# Altium PCB Test.PcbDoc (part 3 of 3)
Units mil, origin at the board's own origin, x right, y up, seen from the top; angles counter-clockwise.
Board outline 22000 x 14000 mil, 2 copper layers (Top Layer, Bottom Layer); 288 components, 166 nets, 913 pads, 158 vias.
Unrouted connection lines stored in the file: 82.
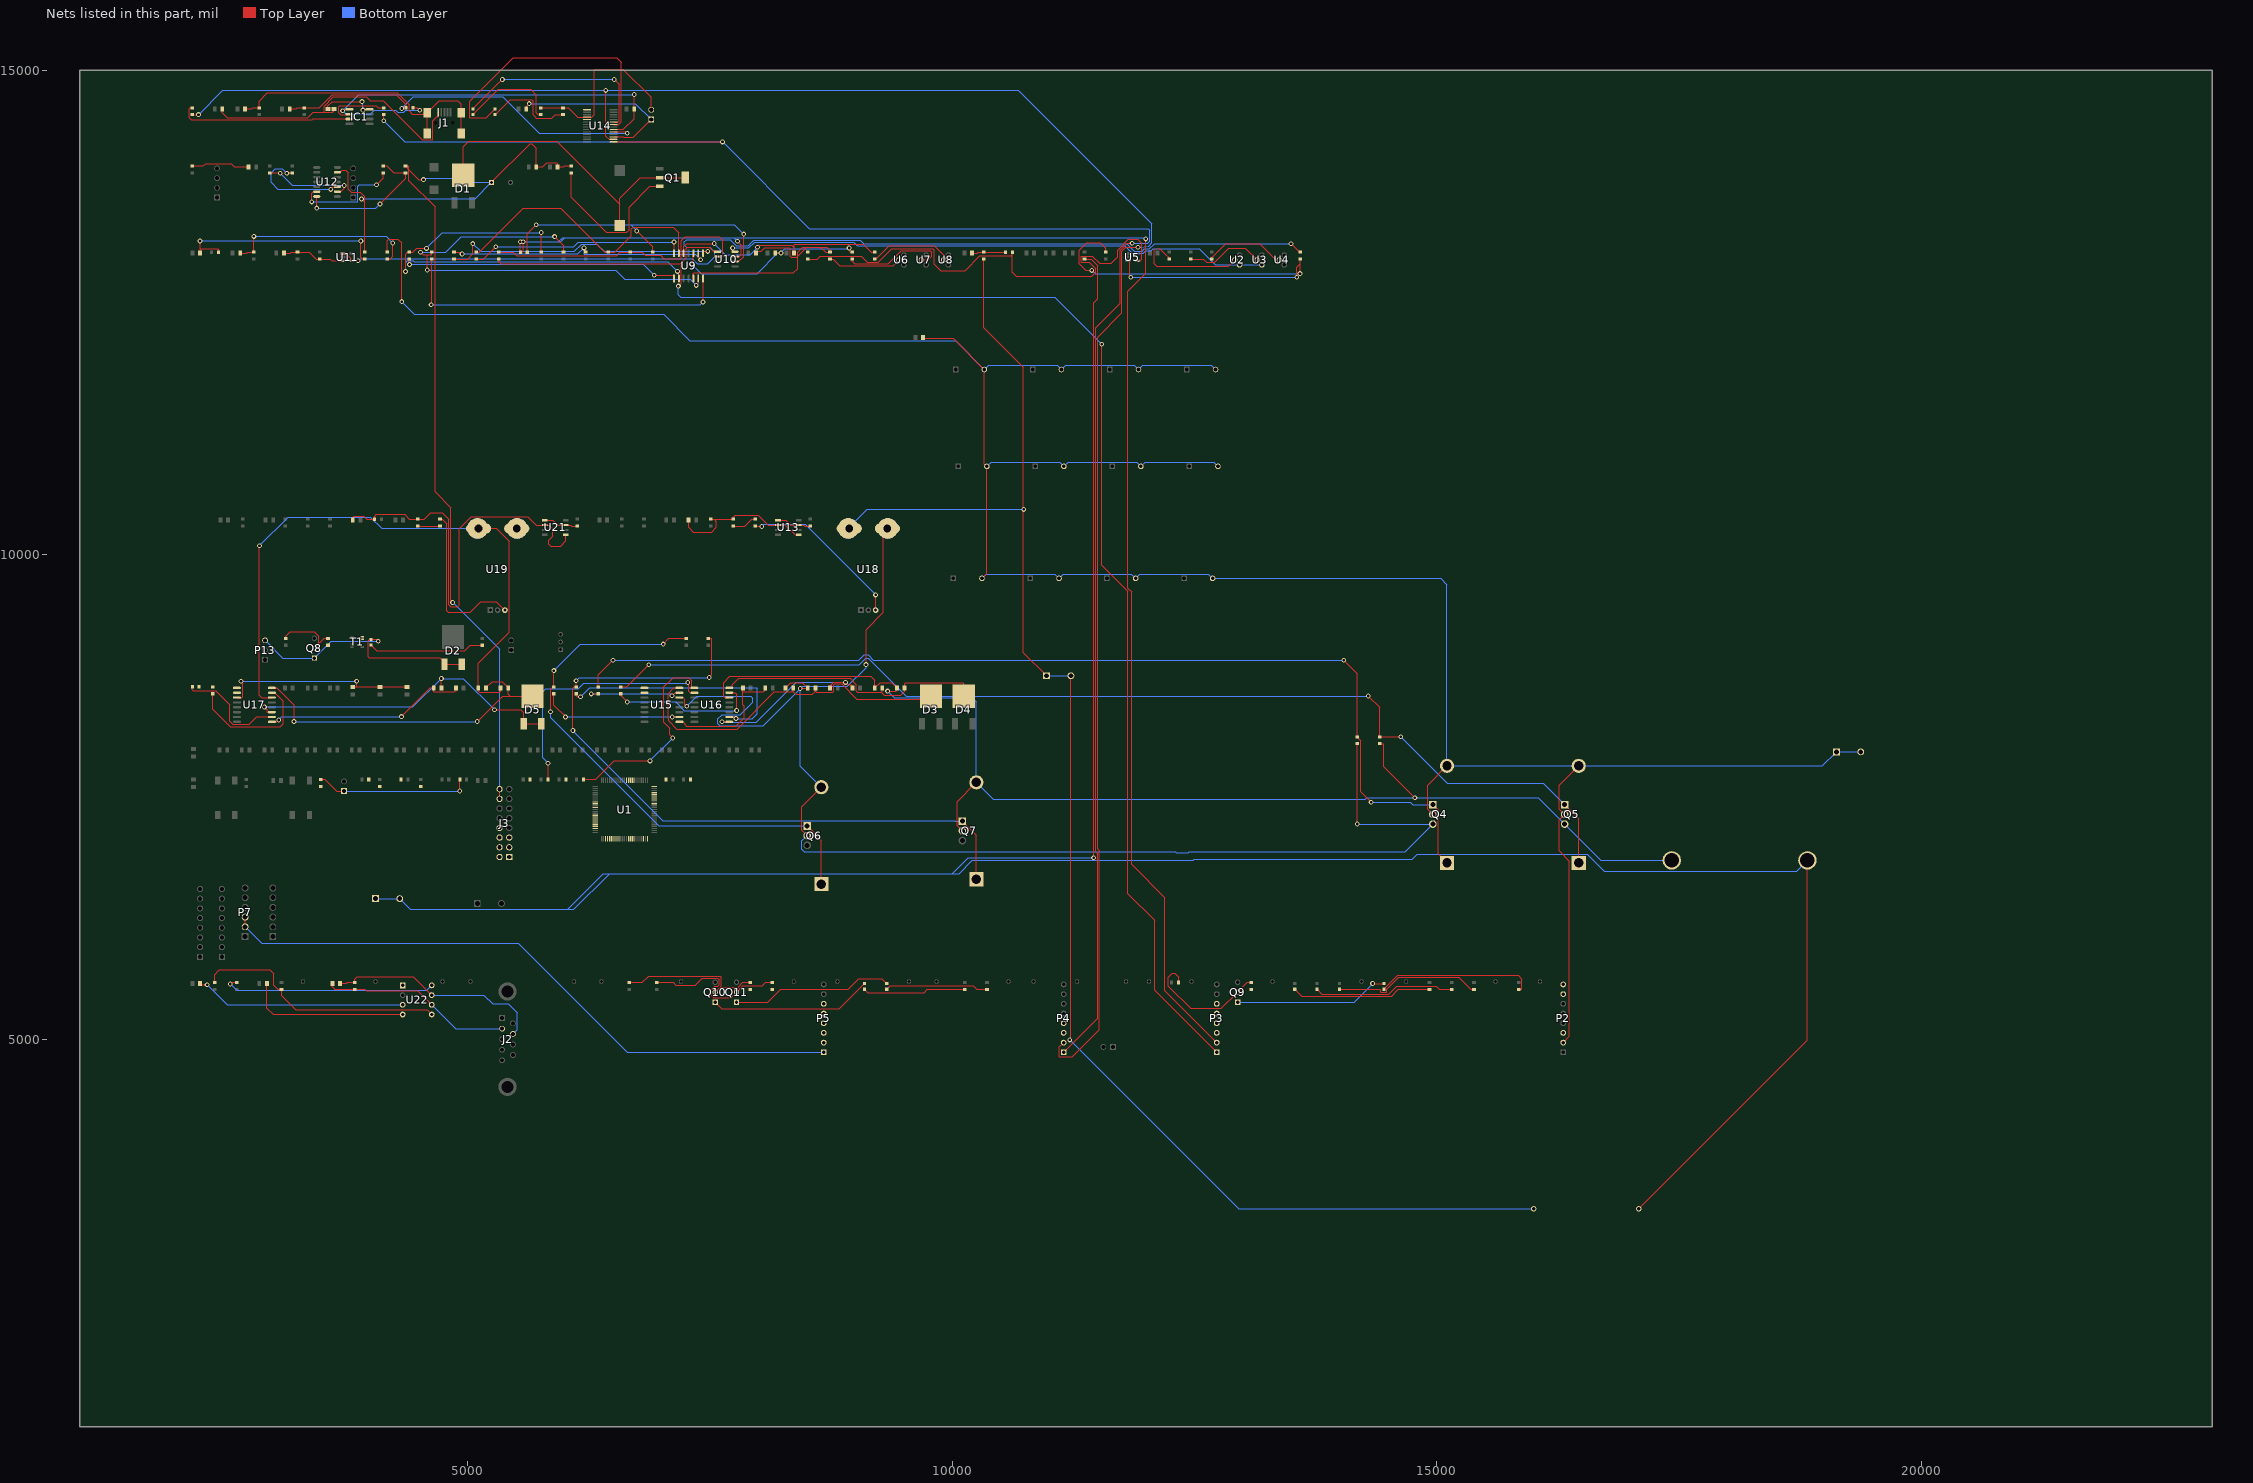
[diagram p3: the nets of this part, all layers, seen from the top]

## Via types
v1: diameter 50, hole 28, Top Layer to Bottom Layer, 158 vias

## Nets (pads, with @x,y where several pads share a name; then routed paths per layer and width w, separated by ;. In a path a pad name is that pad's centre, name@x,y a point inside that pad or via, vN(x,y) a via of type N, cw(c..) or ccw(c..) an arc to the next point about the centre after c; other vN are vias at no path point) (continued)
NetC7_2: C7.2 R20.2 R21.1 | length 349.7
  Top Layer w10: C7.2@10204.37,13110 10259,13110 10269.43,13120.43 R20.2@10324.99,13120.43 10437,13120.43 10437.43,13120 R21.1@10549.57,13120
NetC8_2: C8.2 R22.2 U9.5 | length 2512.1
  Top Layer w10: U9.5@7330,12850 7330,12896 7340,12906 8360,12906 8405,12951 8405,13077 ; C8.2@7974.37,13110 7974.37,13130.59 8031.9,13130.59 8065.31,13164 8317,13164 8330,13151 8330,13079 8340,13069 8397,13069 8405,13077 ; 8405,13077 8502,13174 ; 8405,13077 8405,13120 8459,13174 8502,13174 ; 8502,13174 8641,13174 ; 8641,13174 8705.99,13174 8739.99,13140 R22.2@8739.99,13120.43 8694.57,13120.43 8641,13174
NetC9_2: C9.2 R23.2 U9.10 | length 2025.4
  Top Layer w10: v1(7320,12991) 7330,13001 U9.10@7330,13110 ; C9.2@8174.37,13110 8174.37,13113 v1(8233,13113) ; v1(8937,13164) 8947,13154 8947,13120.43 R23.2@8969.99,13120.43
  Bottom Layer w10: v1(7320,12991) 7411,12900 7987,12900 8200,13113 v1(8233,13113) 8274,13154 8937,13154 v1(8937,13164)
NetC10_2: C10.2 R24.2 U9.12 | length 2275.9
  Top Layer w10: U9.12@7230,13110 7230,13180 7260,13210 v1(7545,13210) ; v1(7992,13171) 8013,13192 8343.37,13192 8369.37,13166 ; C10.2@8369.37,13110 8369.37,13166 ; R24.2@9199.99,13120.43 9165.57,13120.43 9082,13204 8374.37,13204 8369.37,13199 8369.37,13166
  Bottom Layer w10: v1(7545,13210) 7659,13096 7917,13096 v1(7992,13171)
NetC11_2: C11.2 P2.7 R38.1 R41.2 U1.23 | length 2228.2
  Top Layer w10: C11.2@2239.37,13110 2239.37,13143.37 ; v1(2239.37,13237) 2239.37,13143.37 ; R41.2@2430.43,13120.01 2430.43,13143.57 2420,13154 2250,13154 2239.37,13143.37 ; v1(3899,13237) 3899,13067 3916.43,13049.57 R38.1@3940,13049.57
  Bottom Layer w10: v1(2239.37,13237) v1(3899,13237)
NetC12_2: C12.2 P2.8 R39.1 R42.2 U1.22 | length 1977.1
  Top Layer w10: C12.2@2654.37,13110 2719,13110 2729.43,13120.43 R42.2@2794.99,13120.43 v1(2794.99,13284) ; R39.1@4170,13049.57 4200,13049.57 4228,13077.57 v1(4228,13215)
  Bottom Layer w10: v1(2794.99,13284) 4159,13284 v1(4228,13215)
NetC13_2: C13.2 R40.1 R43.2 U11.3 | length 649.1
  Top Layer w10: C13.2@3104.37,13110 3169,13110 3179.43,13120.43 R43.2@3244.99,13120.43 3366.57,13120.43 3437.43,13049.57 R40.1@3475,13049.57 3585,13049.57 3601.97,13032.6 U11.3@3712.76,13032.6
NetC14_1: C14.1 C15.2 C16.2 J3.14 J3.16 R38.2 R44.2 R45.2 U12.13 | length 11715.3
  Top Layer w10: U12.13@3656.3,13945 3687.72,13945 3707.1,13964.38 3743.33,13964.38 3768,13939.72 3768,13772 3800,13740 3895,13740 3939.99,13695.01 3939.99,13635.01 ; v1(3905,13670) 3939.99,13635.01 ; R38.2@3939.99,13120.43 3939.99,13635.01 ; v1(4546,13869) 4495.99,13869 4394,13970.99 ; v1(4846,9507) 4826,9527 4826,10486 4664,10648 4664,13588 4394,13858 4394,13970.99 ; C14.1@5246.57,13840 5646.57,14240 5662,14240 5709.37,14192.63 C15.2@5709.37,14000 5774,14000 5815,14041 5918.37,14041 5929.37,14030 C16.2@5929.37,14000 5994,14000 6004.43,14010.43 R44.2@6069.99,14010.43 ; J3.14@5330,7480 J3.16@5330,7580 ; 4394,13970.99 4394,14000 4383.57,14010.43 R45.2@4359.99,14010.43 4359.99,14005 4394,13970.99
  Bottom Layer w10: v1(3905,13670) 5076.57,13670 C14.1@5246.57,13840 4908,13840 4862,13886 4563,13886 v1(4546,13869) ; v1(4846,9507) 5330,9023 J3.16@5330,7580
NetC18_1: C18.1 R49.2 | length 604.5
  Top Layer w10: R49.2@2159.99,14010.43 2275,14010.43 2298.57,14034 2560,14034 2594,14000 C18.1@2740.63,14000
NetC31_2: C31.2 C32.2 C33.2 C34.2 C35.2 C36.2 C37.2 C38.2 C39.2 C40.2 C41.2 C42.2 C43.2 J5.1 J5.2 P2.2 Q4.2 Q5.2 R39.2 | length 29942.3
  Top Layer w10: R39.2@4169.99,13120.43 4169.99,13240.99 4185,13256 4280,13256 4320,13216 v1(4320,12610) ; C43.2@9699.37,12240 9699.37,12234 10008.64,12234 C31.2@10332.64,11910 10332.64,10935 C35.2@10357.64,10910 10357.64,9805 C39.2@10307.64,9755 ; Q4.2@14959.51,7320 14905,7374.51 14905,7620 Q4.2@15105,7820 ; P2.2@16305,4965 16369.53,5029.53 16369.53,6838.47 16265,6943 16265,7265.49 Q5.2@16319.51,7320 16265,7374.51 16265,7620 Q5.2@16465,7820
  Bottom Layer w10: v1(4320,12610) 4451,12479 7022,12479 7294,12207 10035.64,12207 C31.2@10332.64,11910 10376.64,11954 11083.64,11954 C32.2@11127.64,11910 11171.64,11954 11878.64,11954 C33.2@11922.64,11910 11966.64,11954 12673.64,11954 C34.2@12717.64,11910 ; C39.2@10307.64,9755 10351.64,9799 11058.64,9799 C40.2@11102.64,9755 11146.64,9799 11848.64,9799 C41.2@11892.64,9755 11936.64,9799 12643.64,9799 C42.2@12687.64,9755 15040,9755 15105,9690 Q4.2@15105,7820 Q5.2@16465,7820 18980,7820 J5.1@19125,7965 J5.2@19375,7965 ; C35.2@10357.64,10910 10401.64,10954 11108.64,10954 C36.2@11152.64,10910 11196.64,10954 11903.64,10954 C37.2@11947.64,10910 11991.64,10954 12698.64,10954 C38.2@12742.64,10910
NetC44_1: C44.1 J8.1 J8.2 R20.1 U18.5 | length 16004.3
  Top Layer w10: U18.5@8928.31,10269.94 U18.5@8938.15,10269.94 ; R20.1@10325,13049.57 10325,12343 10735,11933 v1@10735,10467 ; v1(10739,10467) v1@10735,10467 ; J8.1@10975,8750 10735,8990 v1@10735,10467 ; v1(11214,4993) 11225,5004 J8.2@11225,8750
  Bottom Layer w10: U18.5@8938.15,10269.94 U18.5@8928.31,10269.94 9125.37,10467 v1(10739,10467) ; J8.1@10975,8750 J8.2@11225,8750 ; v1(11214,4993) 12957,3250 C44.1@16000,3250
NetC44_2: C44.2 J7.1 J7.2 L3.2 R18.1 | length 27889.1
  Top Layer w10: R18.1@11365,13049.57 11433.08,13049.57 11500,12982.64 11500,12641 11460,12601 v1(11460,6872) ; C44.2@17085,3250 18825,4990 L3.2@18825,6845
  Bottom Layer w10: J7.1@4050,6450 J7.2@4300,6450 4410,6340 6033,6340 ; v1(11460,6872) 10166,6872 10003,6709 ; L3.2@18825,6845 18715,6735 16726,6735 16553,6908 14799,6908 14749,6858 12500,6858 12487,6845 10207,6845 10071,6709 10003,6709 ; 6033,6340 6097,6340 6466,6709 ; 6033,6340 6402,6709 6466,6709 ; 6466,6709 10003,6709
NetC46_2: C46.2 JP2.1 U14.17 | length 1859.1
  Top Layer w10: C46.2@5604.37,14600 5604.37,14621.37 v1(5636,14653) ; U14.17@6505.83,14309.84 6607,14309.84 6610.22,14306.61 6711.61,14306.61 JP2.1@6895,14490
  Bottom Layer w10: v1(5636,14653) 6732,14653 JP2.1@6895,14490
NetC50_1: C50.1 C51.1 U15.9 | length 1308.6
  Top Layer w10: U15.9@7185.12,8275 7224,8275 7256,8228 7769,8228 7856,8315 7856,8435.63 7840.63,8451 7840.63,8584 ; C50.1@7840.63,8625 7840.63,8584 ; C51.1@8070.63,8625 8070.63,8602 8052.63,8584 7840.63,8584
NetC52_1: C52.1 C53.1 Q4.3 Q6.2 R52.1 U15.14 U18.4 | length 15239.8
  Top Layer w10: U15.14@7185.12,8525 7242,8511 7242,8450 7257,8435 v1(7262,8435) ; C52.1@8280.63,8625 8335.63,8680 8455.63,8680 C53.1@8510.63,8625 8510.63,8619 v1(8432,8619) v1@8432,8618 ; Q6.2@8504.51,7100 8450,7154.51 8450,7400 Q6.2@8650,7600 ; v1(9112,8865) 9112,9226 9290,9404 9290,10269.94 U18.4@9331.85,10269.94 U18.4@9335.76,10269.94 ; v1(14180,7219.61) R52.1@14180,8049.57
  Bottom Layer w10: v1(7262,8435) 7366,8539 7920,8539 7940,8519 7940,8475 7814.37,8349.37 7625.37,8349.37 7580,8304 7580,8255 7600,8235 8049,8235 v1@8432,8618 ; Q6.2@8504.51,7100 8450,7045.49 8450,6960 8475,6935 12301.73,6935 12310.83,6925.9 12436.76,6925.9 12445.86,6935 14674.9,6935 Q4.3@14959.51,7219.61 v1(14180,7219.61) ; Q6.2@8650,7600 8432,7818 v1@8432,8618 ; v1(9112,8865) 9112,8833.58 8920,8641.58 8454.58,8641.58 v1(8432,8619) v1@8432,8618 ; U18.4@9331.85,10269.94 U18.4@9335.76,10269.94
NetC52_2: C52.2 C53.2 D3.4 U15.16 | length 3612.2
  Top Layer w10: U15.16@7185.12,8625 7127.81,8625 7068,8565.19 7068,8313.34 7069.28,8289.47 7158.75,8200 7781.77,8200 8165.77,8584 8359.37,8584 ; C52.2@8359.37,8625 8359.37,8584 ; D3.4@9780,8540.24 9694,8540.24 9660.76,8507 9018,8507 8859.41,8665.59 8790,8665.59 8780,8655.59 8780,8592 8770,8582 8600,8582 8590.68,8591.32 ; 8359.37,8584 8392.05,8557.32 8556.69,8557.32 8590.68,8591.32 ; 8590.68,8591.32 8589.37,8592.63 C53.2@8589.37,8625 8590.68,8591.32
NetC54_1: C54.1 C55.1 U16.9 | length 1836.6
  Top Layer w10: v1(7626,8275) U16.9@7700.12,8275 ; C54.1@8740.63,8625 8740.63,8646.22 8780,8685.59 v1@8900,8685.59 ; v1(8900,8682) v1@8900,8685.59 ; C55.1@8970.63,8625 8970.63,8655 8927,8655 8901.78,8683.57 v1@8900,8685.59
  Bottom Layer w10: v1(7626,8275) 7632,8269 7978,8269 8391,8682 v1(8900,8682)
NetC56_1: C56.1 C57.1 L3.1 Q5.3 Q7.2 R53.1 U16.14 | length 12935.5
  Top Layer w10: U16.14@7700.12,8525 7658,8525 7643,8540 7643,8680 7706,8743 9160,8743 9200.63,8702.37 C56.1@9200.63,8625 9255.63,8680 9375.63,8680 C57.1@9430.63,8625 9430.63,8600 9421.63,8591 v1(9334,8591) ; Q7.2@10104.51,7150 10050,7204.51 10050,7450 Q7.2@10250,7650 ; R53.1@14410,8049.57 14452.43,8049.57 14452.43,7812.57 v1(14774,7491)
  Bottom Layer w10: v1(9334,8591) 9404,8521 10209,8521 10250,8480 Q7.2@10250,7650 10425,7475 14264.03,7475 14280.03,7491 v1(14774,7491) 16048.11,7491 Q5.3@16319.51,7219.61 16694.11,6845 L3.1@17425,6845
NetC56_2: C56.2 C57.2 D4.4 U16.16 | length 2871.4
  Top Layer w10: U16.16@7700.12,8625 7730,8625 7730,8655.26 7796.74,8722 8946,8722 9010,8658 9010,8593 9023,8580 9269.37,8580 9279.37,8590 ; C56.2@9279.37,8625 9279.37,8590 ; D4.4@10120,8540.24 10120,8668 10110,8678 9520,8678 9509.37,8667.37 C57.2@9509.37,8625 9509.37,8590 9469.77,8550.4 9300,8550.4 9279.37,8571.03 9279.37,8590
NetC58_1: C58.1 C59.1 U17.9 | length 2121.3
  Top Layer w10: U17.9@2980.12,8275 3032,8275 v1(3051,8294) ; v1(4318,8328) 4615,8625 C58.1@4650.63,8625 4650.63,8584 4870,8584 4880.63,8594.63 C59.1@4880.63,8625
  Bottom Layer w10: v1(3051,8294) 3085,8328 v1(4318,8328)
NetC58_2: C58.2 D5.1 D5.3 U17.11 | length 3444.5
  Top Layer w10: v1(2903,8428) 2933,8398 2933,8375 U17.11@2980.12,8375 ; C58.2@4729.37,8625 v1(4729.37,8721) ; v1(5278,8400) 5547.84,8400 5579.84,8368 D5.1@5579.84,8256.77 D5.3@5760.16,8256.77
  Bottom Layer w10: v1(2903,8428) 4436.37,8428 v1(4729.37,8721) 4957,8721 v1(5278,8400)
NetC60_1: C60.1 C61.1 U17.14 U19.5 | length 6449.2
  Top Layer w10: v1(2852,10092) 2852,8548 2875,8525 U17.14@2980.12,8525 ; U19.5@5103.31,10269.94 U19.5@5113.15,10269.94 5298,10269.94 5430,10137.94 5430,9197 5110.63,8877.63 C60.1@5110.63,8625 5110.63,8590 5120.63,8580 5330.63,8580 5340.63,8590 C61.1@5340.63,8625
  Bottom Layer w10: v1(2852,10092) 3148,10388 3995,10388 4113.06,10269.94 U19.5@5103.31,10269.94 5108,10269.94 U19.5@5113.15,10269.94
NetC60_2: C60.2 C61.2 D5.4 U17.16 | length 3417.8
  Top Layer w10: U17.16@2980.12,8625 3033,8625 3210,8448 v1(3210,8278) ; v1(5099,8278) 5361.24,8540.24 5440,8540.24 ; C60.2@5189.37,8625 5253,8688.63 5355.74,8688.63 C61.2@5419.37,8625 5419.37,8560.87 5440,8540.24 ; D5.4@5670,8540.24 5440,8540.24
  Bottom Layer w10: v1(3210,8278) v1(5099,8278)
NetC65_1: C65.1 R74.2 R75.2 U1.21 U13.2 U13.5 | length 1518.1
  Top Layer w10: C65.1@7280.63,10355 7280.63,10280 7328.63,10232 7520,10232 7568,10280 7568,10340 7542.57,10365.43 ; R75.2@7509.99,10365.43 7542.57,10365.43 ; U13.5@8417.87,10205 8380,10205 8280,10305 U13.2@8202.13,10305 8100,10305 7999.01,10405.99 7760,10405.99 7739.99,10385.99 R74.2@7739.99,10365.43 7542.57,10365.43
NetC69_1: C69.1 R80.2 R81.1 U21.2 U21.5 | length 4456
  Top Layer w10: C69.1@3815.63,10355 3815.63,10381.63 3830,10396 3930,10396 3961,10365 R81.1@4039.57,10365 4039.57,10395.16 4060,10415.59 4350.41,10415.59 4400.57,10365.43 R80.2@4484.99,10365.43 4552.43,10365.43 4618,10431 4740,10431 4806,10365 4806,9481 4827,9460 4893,9460 4913,9480 4913,10265 5040,10392 5620,10392 5707,10305 U21.2@5797.13,10305 5840,10305 5880,10265 5880,10187.71 5840,10147.71 5840,10107.71 5859.71,10088 5960,10088 6013,10141 6013,10205 U21.5@6012.87,10205
NetC72_1: C72.1 J2.2 R92.1 U22.6 | length 1964
  Top Layer w10: C72.1@3605.63,5575 3605.63,5540 3631.06,5514.57 R92.1@3835,5514.57 3938.43,5514.57 3953,5500 4485,5500 U22.6@4630,5355
  Bottom Layer w10: U22.6@4630,5355 4875.94,5109.06 J2.2@5356.14,5109.06
NetC72_2: C72.2 J2.7 R92.2 U22.7 | length 2268.3
  Top Layer w10: C72.2@3684.37,5575 3754,5575 3764.43,5585.43 R92.2@3834.99,5585.43 3834.99,5620 3858.99,5644 4441,5644 U22.7@4630,5455
  Bottom Layer w10: U22.7@4630,5455 5169,5455 5259,5365 5421,5365 5513,5273 5513,5099.58 J2.7@5467.95,5054.53
NetC73_2: C73.2 U1.41 U22.4 | length 1682.6
  Top Layer w10: C73.2@2929.37,5575 2929.37,5320 2994.37,5255 U22.4@4330,5255
NetC74_2: C74.2 U22.3 | length 2189.4
  Top Layer w10: C74.2@2239.37,5575 2239.37,5562 v1(2313,5562)
  Bottom Layer w10: v1(2313,5562) 2520,5355 U22.3@4330,5355
NetC102_2: C102.2 C103.2 C104.2 U17.3 | length 2042.2
  Top Layer w10: U17.3@2619.88,8525 2670,8525 2681,8536 2681,8674 v1(2662,8693) ; C102.2@3815,8634.37 3855,8634.37 ; v1(3855,8693) 3855,8634.37 ; C104.2@4375,8634.37 C103.2@4095,8634.37 3855,8634.37
  Bottom Layer w10: v1(2662,8693) v1(3855,8693)
NetD1_4: D1.4 L1.1 Q1.2 Q1.4 | length 3244.7
  Top Layer w10: D1.4@4955,13915.24 4955,14206.47 5013.53,14265 5919,14265 6570,13614 ; L1.1@6570,13396.93 6570,13614 ; Q1.4@7246.89,13890 Q1.2@6983.11,13890 6784,13890 6570,13676 6570,13614
NetDS1_1: DS1.1 R56.1 | length 1192.2
  Top Layer w10: DS1.1@4005,9065.48 4062.47,9008 4971,9008 5027.57,9064.57 R56.1@5150,9064.57
NetDS2_1: DS2.1 R59.1 | length 1020.6
  Top Layer w10: DS2.1@5055,14540.48 5314.52,14800 5650,14800 5710.43,14739.57 5710.43,14560 5730.87,14539.57 R59.1@5755,14539.57
NetDS2_2: DS2.2 U14.23 | length 2094.2
  Top Layer w10: DS2.2@5055,14599.53 v1(5358.47,14903) ; U14.23@6505.83,14463.39 6550,14463.39 6563,14476.39 6563,14854 v1(6514,14903)
  Bottom Layer w10: v1(5358.47,14903) v1(6514,14903)
NetDS3_1: DS3.1 R60.1 | length 940.2
  Top Layer w10: DS3.1@5285,14540.48 5438.11,14693.59 5662.9,14693.59 5676.49,14680 5676.49,14537.51 5710,14504 5870,14504 5905.57,14539.57 R60.1@5985,14539.57
NetDS3_2: DS3.2 U14.22 | length 2936.8
  Top Layer w10: DS3.2@5285,14599.53 5191.47,14506 5024,14506 5024,14676 5473,15125 6538,15125 6583,15080 6583,14465 6555.8,14437.8 U14.22@6505.83,14437.8
NetDS4_1: DS4.1 R86.1 | length 1639.9
  Top Layer w10: DS4.1@14455,5515.48 14599.52,5660 15839,5660 15879,5620 15879,5514.57 R86.1@15845,5514.57
NetDS4_2: DS4.2 Q9.1 | length 1589.5
  Top Layer w10: v1(14338.47,5574.53) DS4.2@14455,5574.53
  Bottom Layer w10: Q9.1@12945,5382.64 14146.58,5382.64 v1(14338.47,5574.53)
NetDS5_1: DS5.1 R87.1 | length 1448.2
  Top Layer w10: DS5.1@13535,5515.48 13605.74,5444.73 14533.43,5444.73 14603.27,5514.57 R87.1@14925,5514.57
NetDS6_1: DS6.1 R88.1 | length 1457.7
  Top Layer w10: DS6.1@13765,5515.48 13815.74,5464.73 14505.74,5464.73 14587.02,5546 14994,5546 15025.43,5514.57 R88.1@15155,5514.57
NetDS7_1: DS7.1 R89.1 | length 1550.3
  Top Layer w10: DS7.1@13995,5515.48 14413.52,5515.48 14424,5505 14424,5484.73 14485.74,5484.73 14485.74,5517.94 14607.81,5640 15225,5640 15350.43,5514.57 R89.1@15385,5514.57
NetDS8_1: DS8.1 R96.1 | length 1064
  Top Layer w10: DS8.1@9095,5515.48 9130.47,5480 9710,5480 9744.57,5514.57 R96.1@10130,5514.57
NetDS8_2: DS8.2 Q10.1 | length 1675.5
  Top Layer w10: Q10.1@7555,5382.64 7622.64,5315 8835.47,5315 DS8.2@9095,5574.53
NetDS9_1: DS9.1 R97.1 | length 1064
  Top Layer w10: DS9.1@9325,5515.48 9359.52,5550 10217.18,5550 10252.62,5514.57 R97.1@10360,5514.57
NetDS9_2: DS9.2 Q11.1 | length 1671.3
  Top Layer w10: Q11.1@7775,5382.64 8097.64,5382.64 8232,5517 8927,5517 9035,5625 9274.53,5625 DS9.2@9325,5574.53
NetFB1_1: FB1.1 IC1.8 | length 564.6
  Top Layer w10: FB1.1@3559.45,14600 3559.45,14631 3602.45,14674 v1(3910,14674) ; v1(3920,14586) 3929,14595 IC1.8@3989.33,14595
  Bottom Layer w10: v1(3910,14674) 3920,14664 v1(3920,14586)
NetIC1_2: IC1.2 R62.2 | length 658.9
  Top Layer w10: IC1.2@3780.67,14545 3751,14545 3751,14540 3691,14540 3671,14560 3671,14620 3680.64,14629.64 4057.36,14629.64 4076.57,14610.43 R62.2@4134.99,14610.43
NetIC1_3: IC1.3 R65.2 | length 1794.9
  Top Layer w10: R65.2@2159.99,14610.43 2136.43,14610.43 2126,14600 2126,14509 2146.18,14488.82 3396.36,14488.82 3402.55,14495 IC1.3@3780.67,14495
NetJ3_1: J3.1 U1.48
NetJ3_2: J3.2 U1.20
NetJ3_4: J3.4 U1.32
NetJ3_6: J3.6 U1.33
NetJ3_8: J3.8
NetJ4_1: R78.1 U21.1 U21.7 | length 357.9
  Top Layer w10: U21.1@5797.13,10355 5880,10355 5930,10305 U21.7@6012.87,10305 6066,10305 6076.43,10294.57 R78.1@6130,10294.57
NetJ4_3: U17.1
NetJ4_4: P3.1 R30.1 U10.1 | length 15160.4
  Top Layer w10: R30.1@5320,13049.57 5320,13020 5340,13000 7194,13000 7199.5,13005.5 ; v1(7175,12770) 7205,12800 7205,13000 7199.5,13005.5 ; U10.1@7578.82,13125 7540,13125 7495,13170 7265,13170 7255,13160 7255,13061 7199.5,13005.5 ; v1(11543,12171) 11543,9891 11813,9621 11813,6500 12088,6225 12088,5507 P3.1@12730,4865
  Bottom Layer w10: v1(7175,12770) 7175,12680 7199,12656 11058,12656 v1(11543,12171)
NetJ4_5: U17.2
NetJ4_6: P3.2 R31.1 U10.7 | length 17568.8
  Top Layer w10: v1(5544.57,13228) R31.1@5544.57,13120 5564,13120 5574,13130 v1(5574,13228) ; U10.7@7761.18,13075 7802.37,13075 7825,13097.63 7825,13192 v1(7784,13233) ; v1(11997,13258) 11997,12903 11812,12718 11812,9655 11852,9615 11852,6804 12196,6460 12196,5499 P3.2@12730,4965
  Bottom Layer w10: v1(5544.57,13228) v1(5574,13228) 5937.99,13228 ; v1(7784,13233) 7747,13270 ; v1(11997,13258) 11988,13267 7837,13267 7834,13270 7747,13270 ; 5937.99,13228 5959,13228 6001,13270 7747,13270 ; 5937.99,13228 5980.27,13270.28 7746.72,13270.28 7747,13270
NetJ4_8: R79.2 U19.3 | length 1676.2
  Top Layer w10: R79.2@4714.99,10365.43 4740.57,10365.43 4786,10320 4786,9420 4799,9407 5028,9407 5137,9516 5296.62,9516 U19.3@5385.2,9427.42
NetJ4_10: U2.1 U3.1 U10.8 | length 5687.5
  Top Layer w10: v1(7735,13164) 7735,13125 U10.8@7761.18,13125
  Bottom Layer w10: v1(7735,13164) 7902.45,13164 7962.63,13224.18 8983.82,13224.18 9020,13188 11779.68,13188 11857,13110.68 11973.92,13110.68 11997,13133.76 12049.93,13133.76 12074.11,13157.94 12547.06,13157.94 12715,12990 U2.1@12966.25,12990 U3.1@13196.25,12990
NetJP1_1: JP1.1 R7.1 R13.2 | length 1604.5
  Top Layer w10: R13.2@3484.99,7680.43 3527.57,7680.43 3648,7560 JP1.1@3725,7560 ; v1(4919.57,7560) R7.1@4919.57,7680
  Bottom Layer w10: JP1.1@3725,7560 v1(4919.57,7560)
NetK_COM: T1.5
NetL2_2: U19.4 | length 7.8
  Top Layer w10: U19.4@5506.85,10269.94 U19.4@5510.76,10269.94
  Bottom Layer w10: U19.4@5506.85,10269.94 U19.4@5510.76,10269.94
NetP2_3: P2.3 R25.2 U1.19
NetP3_3: P3.3 R26.1 U1.28 U9.1 | length 2864.3
  Top Layer w10: v1(4400,12994) R26.1@4400,13049.57 ; v1(6925.47,12882.53) 7130,12882.53 U9.1@7130,12850
  Bottom Layer w10: v1(4400,12994) 6814,12994 v1(6925.47,12882.53)
NetP3_4: P3.4 R27.1 U1.29 U9.7 | length 3535.1
  Top Layer w10: v1(4624,12578) 4630,12584 R27.1@4630,13049.57 ; v1(7430,12607) U9.7@7430,12850
  Bottom Layer w10: v1(4624,12578) 7401,12578 v1(7430,12607)
NetP3_5: P3.5 R28.1 U1.30 U9.8 | length 2910.3
  Top Layer w10: R28.1@4860,13049.57 5000,13049.57 5054,13103.57 v1(5054,13209) ; U9.8@7430,13110 7430,13130 7477,13130 v1(7478,13129)
  Bottom Layer w10: v1(5054,13209) 5134,13129 6101,13129 6177,13205 6332.7,13205 6408.7,13129 v1(7478,13129)
NetP3_6: P3.6 R29.1 U1.31 U9.14 | length 2227.7
  Top Layer w10: R29.1@5090,13049.57 5162.57,13049.57 v1(5290,13177) ; U9.14@7130,13110 v1(7130,13225)
  Bottom Layer w10: v1(5290,13177) 6094,13177 6142,13225 v1(7130,13225)
NetP4_1: P4.1 R62.1 U14.15 | length 18554.8
  Top Layer w10: v1(4135,14476) R62.1@4135,14539.57 ; U14.15@6505.83,14258.66 v1(7631.34,14258.66) v1@7631,14259 ; P4.1@11150,4865 11500,5215 11500,6911.62 11480,6931.62 11480,12341 11732,12593 11732,13139 11805,13212 v1(11857,13212)
  Bottom Layer w10: v1(4135,14476) 4352,14259 7631,14259 v1(7631.34,14258.66) 8527,13363 12023,13363 12040,13346 12040,13232 12020,13212 v1(11857,13212)
NetP4_2: P4.2 R65.1 U14.16 | length 20514.1
  Top Layer w10: R65.1@2160,14539.57 v1(2224.57,14539.57) ; v1(6425,14790) 6425,14319.25 6460,14284.25 U14.16@6505.83,14284.25 ; P4.2@11150,4965 11105,4920 11105,4820 11240,4820 11520,5100 11520,6946.79 11500,6966.79 11500,12244 11752,12496 11752,13130.71 11792.29,13171 v1(11917,13171)
  Bottom Layer w10: v1(2224.57,14539.57) 2475,14790 v1(6425,14790) 10684,14790 12060,13414 12060,13217 12027,13184 11937,13171 v1(11917,13171)
NetP4_3: P4.3 U1.50 U14.1
NetP4_4: P4.4 U1.43 U14.5
NetP5_1: P5.1 P7.2 P7.3 | length 6606.4
  Top Layer w10: P7.2@2705,6160 P7.3@2705,6260
  Bottom Layer w10: P7.2@2705,6160 2875,5990 5523,5990 6648,4865 P5.1@8675,4865
NetP5_2: P5.2 U1.18
NetP5_3: P5.3 U1.17
NetP5_4: P5.4 U1.34
NetP5_5: P5.5 U1.16
NetP5_6: P5.6 U1.35
NetQ1_3: Q1.3 R44.1 | length 1653.2
  Top Layer w10: R44.1@6070,13939.57 6070,13686 6432,13324 6642,13324 6666,13348 6666,13586.45 6879,13799.45 Q1.3@6983.11,13799.45
NetQ2_1: R70.2
NetQ3_1: R71.2
NetQ4_1: Q4.1 R52.2 R66.2 | length 10813.6
  Top Layer w10: R66.2@6349.99,8635.43 6349.99,8759.99 v1(6500,8910) ; v1(14040,8910) 14179.99,8770.01 R52.2@14179.99,8120.43 14183,8120.43 14183,8111 14214,8080 14214,7554 v1(14323,7445) ; Q4.1@14959.51,7420.39 15014,7365.9 15014,6911 Q4.1@15105,6820
  Bottom Layer w10: v1(6500,8910) 9036.49,8910 9091.49,8965 9132.1,8965 9187.1,8910 v1(14040,8910) ; v1(14323,7445) 14728,7445 14752.61,7420.39 Q4.1@14959.51,7420.39
NetQ5_1: Q5.1 R53.2 R67.2 | length 11326.1
  Top Layer w10: R67.2@6579.99,8635.43 6640,8635.43 v1(6868.57,8864) ; v1(14293,8541) 14409.99,8424.01 R53.2@14409.99,8120.43 v1(14628.57,8120.43) ; Q5.1@16319.51,7420.39 16465,7274.9 Q5.1@16465,6820
  Bottom Layer w10: v1(6868.57,8864) 9040,8864 9107,8931 9135,8931 9525,8541 v1(14293,8541) ; v1(14628.57,8120.43) 15109,7640 16099.9,7640 Q5.1@16319.51,7420.39
NetQ6_1: Q6.1 R54.2 R68.2 | length 5783
  Top Layer w10: v1(5856,8379) 5856,8621.43 R68.2@5889.99,8635.43 v1(5889.99,8802.99) ; v1(7018.57,9076) 7078,9135.43 R54.2@7254.99,9135.43 ; Q6.1@8504.51,7200.39 8650,7054.9 Q6.1@8650,6600
  Bottom Layer w10: v1(5856,8379) 5856,8317.29 6972.89,7200.39 Q6.1@8504.51,7200.39 ; v1(5889.99,8802.99) 6163,9076 v1(7018.57,9076)
NetQ7_1: Q7.1 R55.2 R69.2 | length 7440.4
  Top Layer w10: v1(6086,8185) 6086,8621.43 6100,8635.43 R69.2@6119.99,8635.43 v1(6119.99,8698) ; R55.2@7484.99,9135.43 7519,9135.43 7519,8758 v1(7493,8732) ; Q7.1@10104.51,7250.39 10250,7104.9 Q7.1@10250,6650
  Bottom Layer w10: v1(6086,8185) 7016,7255 10028,7255 10032.61,7250.39 Q7.1@10104.51,7250.39 ; v1(6119.99,8698) 6153.99,8732 v1(7493,8732)
NetQ8_2: Q8.2 R57.2 R58.2 | length 663.4
  Top Layer w10: R58.2@3124.99,9135.43 3124.99,9160 3169.99,9205 3418,9205 3463,9160 3463,9078 ; Q8.2@3420,9035 3463,9078 ; R57.2@3559.99,9135.43 3520.43,9135.43 3463,9078
NetQ9_2: Q9.2 R90.2 R91.2 | length 1344.6
  Top Layer w10: R91.2@12335.43,5585.01 12335.43,5640 12294.43,5681 12272,5681 12231,5640 12231,5548 12460,5319 12779,5319 Q9.2@12945,5485 13045.43,5585.43 R90.2@13084.99,5585.43
NetQ10_2: Q10.2 R98.2 R100.2 | length 1488.8
  Top Layer w10: R100.2@6669.99,5585.43 6804.57,5585.43 6869.13,5650 7607.56,5650 7617.56,5640 7617.56,5547.56 7606,5536 ; Q10.2@7555,5485 7606,5536 ; R98.2@7914.99,5585.43 7840,5585.43 7790.57,5536 7606,5536
NetQ11_2: Q11.2 R99.2 R101.2 | length 1620.1
  Top Layer w10: R101.2@6949.99,5585.43 7122.57,5585.43 7150,5558 7351.08,5558 7423,5629.92 7580,5629.92 7597.56,5612.36 7597.56,5560 7582.36,5544.8 7548.8,5544.8 7512,5508 7512,5454 7540,5426 7716,5426 Q11.2@7775,5485 7840,5550 8040,5550 8075.43,5585.43 R99.2@8144.99,5585.43
NetR3_2: R3.2 U1.84 U15.1
NetR4_2: R4.2 U1.9 U16.1 | length 2109.9
  Top Layer w10: R4.2@6195.43,7680.01 6322,7680.01 6513.99,7872 v1(6882,7872) ; v1(7117,8107) 7083.49,8140.51 7083.49,8210.15 7025,8268.64 7025,8637 7120,8732 7280,8732 7311,8701 7311,8652.25 7310.75,8625.27 7310.75,8625 U16.1@7339.88,8625
  Bottom Layer w10: v1(6882,7872) v1(7117,8107)
NetR5_2: R5.2 U1.10 U16.2 | length 2620
  Top Layer w10: R5.2@5830.43,7680.01 v1(5830.43,7847.57) ; v1(7271,8680) 7283,8668 7283,8590 7298,8575 U16.2@7339.88,8575
  Bottom Layer w10: v1(5830.43,7847.57) 5776,7902 5776,8585 5807,8616 6143,8616 6198,8671 7262,8671 v1(7271,8680)
NetR6_2: R6.2 U1.83 U15.2
NetR9_2: R9.2 U1.12
NetR10_1: R10.1 U1.68
NetR11_1: R11.1 U1.71
NetR12_1: R12.1 U1.72
NetR13_1: R13.1 U1.70
NetR14_1: R14.1 R19.2 U5.3 | length 5041.2
  Top Layer w10: v1(11440,12933) 11378.3,12933 11311.3,13000 11311.3,13140.3 11390,13219 11525.99,13219 11584.99,13160 R19.2@11584.99,13120.43 ; U5.3@11812.76,13032.6 11832,13032.6 11832,12872 v1(11842,12862) ; v1(13555,12862) 13555,12965 13590,13000 ; v1(13590,12899) 13590,13000 ; R14.1@13590,13049.57 13590,13000
  Bottom Layer w10: v1(11440,12933) 11474,12899 v1(13590,12899) ; v1(11842,12862) v1(13555,12862)
NetR14_2: R14.2 U11.1 U11.4 | length 10892.3
  Top Layer w10: U11.1@3712.76,13107.4 3743,13107.4 3795,13055.4 3795,13032.6 U11.4@3807.24,13032.6 v1(3870.6,13032.6) ; v1(13497,13208) 13584.57,13120.43 R14.2@13589.99,13120.43
  Bottom Layer w10: v1(3870.6,13032.6) 3892,13054 4460,13054 4462,13052 7320,13052 7370,13002 7480,13002 7549,13071 7549,13120 7499,13170 7260,13170 7238,13192 7238,13228 7260,13250 7709,13250 7772,13187 7896,13187 7954,13245 9053,13245 9090,13208 11799.25,13208 11876.57,13130.68 11960,13130.68 11983.08,13153.76 12033.84,13153.76 12088.07,13208 v1(13497,13208)
NetR15_1: R15.1 U2.2 | length 1232.2
  Top Layer w10: R15.1@12240,13049.57 12240,13069 12210,13089 12139,13160 12084,13150 12084,13000 12110,12974 12850.25,12974 U2.2@12916.25,13040
NetR16_1: R16.1 U3.2 | length 808.7
  Top Layer w10: R16.1@12460,13049.57 12592.43,13049.57 12625,13017 12711,13017 12854,13160 13026.25,13160 U3.2@13146.25,13040
NetR17_1: R17.1 U4.2 | length 839.9
  Top Layer w10: R17.1@12680,13049.57 12680,13064 12824,13208 13173,13208 13341,13040 U4.2@13376.25,13040
NetR21_2: R21.2 R25.1 U5.4 | length 4861.5
  Top Layer w10: R25.1@8510,13049.57 8605.57,13049.57 8637,13081 9062.82,13081 9125,13018.82 9239.82,13018.82 9375,13154 9802,13154 9816,13140 9816,12995 9880,12931 10134,12931 10287,13084 10610,13084 10620.43,13094.43 ; R21.2@10620.43,13120.01 10620.43,13094.43 ; U5.4@11907.24,13032.6 11940,13032.6 11957,13049.6 11957,13211 11916,13252 11816.71,13252 11707,13142.29 11707,13072 11640,13005 11520.32,13005 11445,13080.32 11331.3,13080.32 11331.3,13018.82 11412.7,13018.82 11480,12951.52 11480,12913 11440,12873 10661.43,12873 10620.43,12914 10620.43,13094.43
NetR22_1: R22.1 U6.2 | length 765.9
  Top Layer w10: R22.1@8740,13049.57 8771.43,13049.57 8842.18,12978.82 9390.07,12978.82 U6.2@9451.25,13040
NetR23_1: R23.1 U7.2 | length 1082.1
  Top Layer w10: R23.1@8970,13049.57 8970,13026 8997.18,12998.82 9339.82,12998.82 9474.54,13133.54 9775,13133.54 9791,13117.54 9791,13080 9751,13040 U7.2@9681.25,13040
NetR24_1: R24.1 U8.2 | length 859.6
  Top Layer w10: R24.1@9200,13049.57 9213.7,13049.57 9352.14,13188 9814,13188 9911.25,13090.75 U8.2@9911.25,13040
NetR26_2: R26.2 R32.2 U9.2 | length 4903.7
  Top Layer w10: v1(4360,12922) 4360,13100.43 4380,13120.43 R26.2@4399.99,13120.43 4435.43,13120.43 4475,13160 v1(4575.43,13160) ; R32.2@5759.99,13120.43 v1(5759.99,13323) ; v1(7165,12923) 7180,12908 U9.2@7180,12850
  Bottom Layer w10: v1(4360,12922) 4360,13014 4380,13034 4440,13034 4451,13023 7065,13023 v1(7165,12923) ; v1(4575.43,13160) 4738.43,13323 v1(5759.99,13323)
NetR27_2: R27.2 R33.2 U9.6 | length 4879.9
  Top Layer w10: v1(4515,13120) 4540,13095 4584,13095 ; v1(4584,12936) 4584,13095 ; R27.2@4629.99,13120.43 4629.99,13095 4584,13095 ; v1(5897.99,13281) 5989.99,13189 R33.2@5989.99,13120.43 ; v1(7360,12778) 7380,12798 U9.6@7380,12850
  Bottom Layer w10: v1(4515,13120) 4773,13120 4934,13281 v1(5897.99,13281) ; v1(4584,12936) 6527,12936 6621,12842 7296,12842 v1(7360,12778)
NetR28_2: R28.2 R34.2 U9.9 | length 2798.7
  Top Layer w10: R28.2@4859.99,13120.43 4925.57,13120.43 v1(4944,13102) ; v1(6202,13165) 6219.99,13147.01 R34.2@6219.99,13120.43 ; U9.9@7380,13110 7380,13067 v1(7405,13042)
  Bottom Layer w10: v1(4944,13102) 6139,13102 v1(6202,13165) 6202,13099 7348,13099 v1(7405,13042)
NetR29_2: R29.2 R35.2 U9.13 | length 2848.9
  Top Layer w10: R29.2@5089.99,13120.43 5120,13120.43 5573.57,13574 5962,13574 6415.57,13120.43 R35.2@6449.99,13120.43 6517,13120.43 6687,13290.43 6687,13360 6707,13380 7120,13380 7180,13320 U9.13@7180,13110
NetR30_2: R30.2 R36.2 U10.2 | length 2799.3
  Top Layer w10: R30.2@5319.99,13120.43 5471.57,13120.43 5507,13085 6537,13085 6572.43,13120.43 R36.2@6679.99,13120.43 6802.57,13120.43 6835,13088 6991,13088 7024,13055 7205,13055 7205,13240 7245,13280 7596,13280 7631,13245 7631,13086 7620,13075 U10.2@7578.82,13075
NetR31_2: R31.2 R37.2 U10.6 | length 3220.6
  Top Layer w10: R31.2@5615.43,13120.01 5615.43,13309.43 v1(5709,13403) ; v1(6746,13340) 6909.99,13176.01 R37.2@6909.99,13120.43 ; U10.6@7761.18,13025 7800,13025 7850,13075 v1(7850,13307)
  Bottom Layer w10: v1(5709,13403) 6683,13403 ; v1(6746,13340) 6683,13403 ; v1(7850,13307) 7754,13403 6683,13403
NetR47_1: R47.1 U12.9 | length 937.3
  Top Layer w10: R47.1@2960,13939.57 3062.43,13939.57 v1(3067,13935) ; U12.9@3656.3,13745 3693,13745 3728,13780 v1(3728,13809)
  Bottom Layer w10: v1(3067,13935) 3193,13809 v1(3728,13809)
NetR48_1: R48.1 U12.10 | length 1076.1
  Top Layer w10: v1(3135,13935) 3139.57,13939.57 R48.1@3190,13939.57 ; v1(3588,13769) 3614,13795 U12.10@3656.3,13795
  Bottom Layer w10: v1(3135,13935) 3090,13980 3018,13980 2972,13934 2972,13840 3040,13772 3585,13772 v1(3588,13769)
NetR57_1: R57.1 U1.66
NetR66_1: R66.1 U15.15 | length 1005.3
  Top Layer w10: v1(6276,8563) 6277.57,8564.57 R66.1@6350,8564.57 ; v1(7109,8543) 7141,8575 U15.15@7185.12,8575
  Bottom Layer w10: v1(6276,8563) 7089,8563 v1(7109,8543)
NetR67_1: R67.1 U16.15 | length 1529.3
  Top Layer w10: R67.1@6580,8564.57 6580,8547 v1(6647,8480) ; U16.15@7700.12,8575 7761,8575 7776,8560 v1(7776,8391)
  Bottom Layer w10: v1(6647,8480) 7149,8480 7238,8391 v1(7776,8391)
NetR68_1: R68.1 U15.10 | length 1463.8
  Top Layer w10: R68.1@5890,8564.57 5890,8446 v1(6011,8325) ; v1(7111,8325) U15.10@7185.12,8325
  Bottom Layer w10: v1(6011,8325) v1(7111,8325)
NetR69_1: R69.1 U16.10 | length 2512.2
  Top Layer w10: R69.1@6120,8564.57 6120,8543 6130,8533 v1(6166,8533) ; U16.10@7700.12,8325 7754,8325 v1(7770,8309)
  Bottom Layer w10: v1(6166,8533) 6259.76,8626.76 7983.24,8626.76 7988,8622 7988,8360 7937,8309 v1(7770,8309)
NetR70_1: R70.1 U17.15 | length 1358.5
  Top Layer w10: R70.1@2370,8564.57 2370,8405 2549,8226 3068.46,8226 3096.46,8254 3096.46,8488.54 3010,8575 U17.15@2980.12,8575
NetR71_1: R71.1 U17.10 | length 1130.8
  Top Layer w10: R71.1@2159.57,8635 2159.57,8606.43 2170,8596 2404,8596 2547,8453 2547,8280 2579,8248 2746,8248 2823,8325 U17.10@2980.12,8325
NetR72_1: R72.1 U1.42 U13.1 U13.7 | length 357.9
  Top Layer w10: U13.1@8202.13,10355 8285,10355 8335,10305 U13.7@8417.87,10305 8471,10305 8481.43,10294.57 R72.1@8535,10294.57
NetR73_1: R73.1 U18.3 | length 1709
  Top Layer w10: R73.1@7970,10294.57 8030.43,10294.57 v1(8035,10290) ; U18.3@9210.2,9427.42 v1(9210.2,9584.8)
  Bottom Layer w10: v1(8035,10290) 8056,10311 8484,10311 v1(9210.2,9584.8)
NetR73_2: R73.2 R74.1 | length 259.3
  Top Layer w10: R74.1@7740,10294.57 7859.13,10294.57 7930,10365.43 R73.2@7969.99,10365.43
NetR79_1: R79.1 R80.1 | length 230
  Top Layer w10: R80.1@4485,10294.57 R79.1@4715,10294.57
NetR90_1: R90.1 U1.69
NetR93_1: R93.1 R94.2 U22.5 | length 2641.8
  Top Layer w10: R94.2@2389.99,5585.43 2389.99,5665.99 2440,5716 2960,5716 3000,5676 3000,5554.57 3040,5514.57 R93.1@3080,5514.57 3080,5449 3226,5303 4582,5303 U22.5@4630,5255
NetR95_2: R95.2 U22.8 | length 2202
  Top Layer w10: v1(2551,5570) 2566.43,5585.43 R95.2@2619.99,5585.43
  Bottom Layer w10: v1(2551,5570) 2616,5505 4580,5505 U22.8@4630,5555
NetR98_1: R98.1 U1.85
NetR99_1: R99.1 U1.75
NetT1_4: T1.4
NetU1_40: U1.40 U22.1
PWM_BOOST_H: J3.3 R2.2 U1.87
PWM_BOOST_L: J3.5 R1.1 U1.86
Relay: D2.1 D2.3 DS1.2 P13.3 Q8.1 | length 2609.5
  Top Layer w10: v1(4079,9106) 4060.47,9124.53 DS1.2@4005,9124.53 3988.53,9124.53 3974,9110 3974,8948 3987,8935 4712.84,8935 4759.84,8888 D2.1@4759.84,8866.54 D2.3@4940.16,8866.54
  Bottom Layer w10: P13.3@2910,9115 3092.36,8932.64 Q8.1@3420,8932.64 3593.36,9106 v1(4079,9106)
RESET_USB: C48.2 R61.1 R64.2 U14.19 | length 4061.6
  Top Layer w10: C48.2@3164.37,14600 3234,14600 3244.43,14610.43 R64.2@3314.99,14610.43 3470.43,14610.43 3604,14744 4263.57,14744 4364.57,14643 R61.1@4364.57,14610 4326,14610 v1(4320,14604) ; U14.19@6505.83,14361.02 6632.98,14361.02 v1(6647,14347)
  Bottom Layer w10: v1(4320,14604) 4440,14724 5365,14724 5742,14347 v1(6647,14347)
SHIELD: C47.2 J1.6 J1.7 J1.8 J1.9 R63.2 | length 3067.2
  Top Layer w10: C47.2@2704.37,14600 2771,14600 2781.43,14610.43 R63.2@2849.99,14610.43 2849.99,14680 2933.99,14764 4276,14764 4396,14644 4396,14580 4431.15,14544.85 4545.66,14544.85 4545.66,14559.82 J1.6@4584.8,14559.82 ; J1.8@4584.8,14345.26 J1.6@4584.8,14559.82 ; J1.9@4935.2,14345.26 J1.7@4935.2,14559.82 4935.2,14649.22 4900.38,14684.04 4709.21,14684.04 4585,14559.82 J1.6@4584.8,14559.82
SI: R45.1 R46.2 U12.7 | length 1481
  Top Layer w10: U12.7@3443.7,13695 3444,13695 v1(3444,13575) ; v1(4097,13618) 4360,13881 R45.1@4360,13939.57 4236,13939.57 4165.13,14010.43 R46.2@4129.99,14010.43
  Bottom Layer w10: v1(3444,13575) 4054,13575 v1(4097,13618)
SI_GND: R46.1 U12.6 | length 1136.3
  Top Layer w10: v1(3392,13640) 3392,13730 3407,13745 U12.6@3443.7,13745 ; v1(4061,13817) 4130,13886 R46.1@4130,13939.57
  Bottom Layer w10: v1(3392,13640) 3865,13640 3865,13802 3880,13817 v1(4061,13817)
USB_5V: C45.2 IC1.1 R61.2 U14.20 | length 4586.2
  Top Layer w10: v1(3711,14580) 3726,14595 IC1.1@3780.67,14595 ; R61.2@4435.43,14610.01 4480.99,14610.01 v1(4506,14585) ; U14.20@6505.83,14386.61 6607,14386.61 6719.37,14498.98 C45.2@6719.37,14600 v1(6719.37,14747)
  Bottom Layer w10: v1(4506,14585) 4361,14585 4339.41,14563.41 4280.82,14563.41 4259.23,14585 4035.57,14585 3995.83,14545.26 3745.74,14545.26 v1(3711,14580) 3878,14747 v1(6719.37,14747)
USB_5V_IN: C49.2 FB1.2 J1.1 | length 3025.5
  Top Layer w10: C49.2@2469.37,14600 2469.37,14560 2520.55,14508.82 3352.82,14508.82 3408,14564 3518.55,14564 ; J1.1@4697.01,14564.74 4697.01,14520 4684,14520 4639.18,14475.18 4639.18,14281.04 4530,14281.04 4130.17,14680.87 3998.23,14680.87 3955.1,14724 3615,14724 3518.55,14627.55 3518.55,14564 ; 3518.55,14564 3610,14564 ; 3610,14564 FB1.2@3620.55,14600 3620.55,14574.55 3610,14564
VCCIO: JP2.2 R59.2 R60.2 U14.4 | length 1903.3
  Top Layer w10: R59.2@5754.99,14610.43 R60.2@5984.99,14610.43 6041,14610.43 6136.87,14514.57 U14.4@6234.17,14514.57 6281.57,14514.57 6307,14540 6307,15000 6317,15010 6603,15010 6895,14718 JP2.2@6895,14590
pads on no net: C51.2 C55.2 C59.2 C87.1 C100.1 J1.4 J1.MH1 J1.MH2 J2.1 J2.4 J2.5 J2.8 J2.M1 J2.M2 J3.7 K.1 K.2 K.3 P3.7 P3.8 P4.5 P4.6 P4.7 P4.8 P5.7 P5.8 P6.1 P6.2 P6.3 P6.4 P6.5 P6.6 P7.1 P8.1 P8.2 P8.3 P8.4 P8.5 P8.6 P8.7 P8.8 P9.1 P9.2 P9.3 P9.4 P9.5 P9.6 P9.7 P9.8 P10.1 P10.2 R54.1 R55.1 T1.1 T1.2 T1.3 T1.6 TP1.7 TP2.7 TP3.7 TP4.7 TP5.7 TP6.7 TP7.7 TP8.7 TP9.7 TP10.7 TP11.7 TP12.7 TP13.7 TP14.7 TP15.7 TP16.7 TP17.7 TP18.7 TP19.7 TP20.7 TP21.7 TP23.7 U1.1 U1.2 U1.6 U1.7 U1.8 U1.39 U1.44 U1.45 U1.49 U1.51 U1.52 U1.53 U1.54 U1.55 U1.56 U1.57 U1.58 U1.59 U1.64 U1.67 U1.73 U1.74 U1.76 U1.77 U1.78 U1.82 U1.88 U1.89 U1.94 U1.95 U1.96 U1.97 U1.98 U1.99 U1.100 U5.1 U5.5 U12.2 U12.5 U14.2 U14.3 U14.6 U14.8 U14.9 U14.10 U14.11 U14.12 U14.13 U14.14 U14.24 U14.27 U14.28 U15.6 U15.7 U15.8 U15.12 U15.13 U16.6 U16.7 U16.8 U16.12 U16.13 U17.6 U17.7 U17.8 U17.12 U17.13 U19.2

## Text inside footprints (layer, text, board x,y; h text height)
J2: Top Overlay "9" at 5488.82,4759.84 h40 r90; Top 3D Body "PCB Edge" at 5838.03,4862.2 h40 r90
J3: Top Overlay "16" at 5344.57,7648.11 h40 r90; Top Overlay "15" at 5450.87,7648.11 h40 r90; Top Overlay "1" at 5450.87,6796.14 h40 r90; Top Overlay "2" at 5344.57,6784.33 h40 r90
P8: Top Overlay "8" at 2398.07,6535.04 h40 r90; Top Overlay "1" at 2398.07,5845.28 h40 r90
P9: Top Overlay "8" at 2173.07,6535.04 h40 r90; Top Overlay "1" at 2173.07,5845.28 h40 r90
Q4: Top Layer "Q" at 15273.51,7666.49 h98.44; Top Layer "3" at 15336.94,7666.49 h98.44; Top Layer "P" at 15273.51,7565 h98.44; Top Layer "S" at 15324.26,7565 h98.44; Top Layer "M" at 15375,7565 h98.44; Top Layer "N" at 15451.12,7565 h98.44; Top Layer "8" at 15514.55,7565 h98.44; Top Layer "R" at 15558.95,7565 h98.44; Top Layer "5" at 15616.03,7565 h98.44; Top Layer "-" at 15660.43,7565 h98.44; Top Layer "1" at 15692.15,7565 h98.44; Top Layer "0" at 15736.55,7565 h98.44; Top Layer "0" at 15780.95,7565 h98.44; Top Layer "P" at 15825.35,7565 h98.44; Top Layer "S" at 15876.09,7565 h98.44
Q5: Top Layer "Q" at 16633.51,7666.49 h98.44; Top Layer "3" at 16696.94,7666.49 h98.44; Top Layer "P" at 16633.51,7565 h98.44; Top Layer "S" at 16684.26,7565 h98.44; Top Layer "M" at 16735,7565 h98.44; Top Layer "N" at 16811.12,7565 h98.44; Top Layer "8" at 16874.55,7565 h98.44; Top Layer "R" at 16918.95,7565 h98.44; Top Layer "5" at 16976.03,7565 h98.44; Top Layer "-" at 17020.43,7565 h98.44; Top Layer "1" at 17052.15,7565 h98.44; Top Layer "0" at 17096.55,7565 h98.44; Top Layer "0" at 17140.95,7565 h98.44; Top Layer "P" at 17185.35,7565 h98.44; Top Layer "S" at 17236.09,7565 h98.44
Q6: Top Layer "Q" at 8818.51,7446.49 h98.44; Top Layer "3" at 8881.94,7446.49 h98.44; Top Layer "P" at 8818.51,7345 h98.44; Top Layer "S" at 8869.26,7345 h98.44; Top Layer "M" at 8920,7345 h98.44; Top Layer "N" at 8996.12,7345 h98.44; Top Layer "8" at 9059.55,7345 h98.44; Top Layer "R" at 9103.95,7345 h98.44; Top Layer "5" at 9161.03,7345 h98.44; Top Layer "-" at 9205.43,7345 h98.44; Top Layer "1" at 9237.15,7345 h98.44; Top Layer "0" at 9281.55,7345 h98.44; Top Layer "0" at 9325.95,7345 h98.44; Top Layer "P" at 9370.35,7345 h98.44; Top Layer "S" at 9421.09,7345 h98.44
Q7: Top Layer "Q" at 10418.51,7496.49 h98.44; Top Layer "3" at 10481.94,7496.49 h98.44; Top Layer "P" at 10418.51,7395 h98.44; Top Layer "S" at 10469.26,7395 h98.44; Top Layer "M" at 10520,7395 h98.44; Top Layer "N" at 10596.12,7395 h98.44; Top Layer "8" at 10659.55,7395 h98.44; Top Layer "R" at 10703.95,7395 h98.44; Top Layer "5" at 10761.03,7395 h98.44; Top Layer "-" at 10805.43,7395 h98.44; Top Layer "1" at 10837.15,7395 h98.44; Top Layer "0" at 10881.55,7395 h98.44; Top Layer "0" at 10925.95,7395 h98.44; Top Layer "P" at 10970.35,7395 h98.44; Top Layer "S" at 11021.09,7395 h98.44